# KiCad board karabas-pro-revER.kicad_pcb
title: Karabas Pro; date: 2021-07-06; rev: E
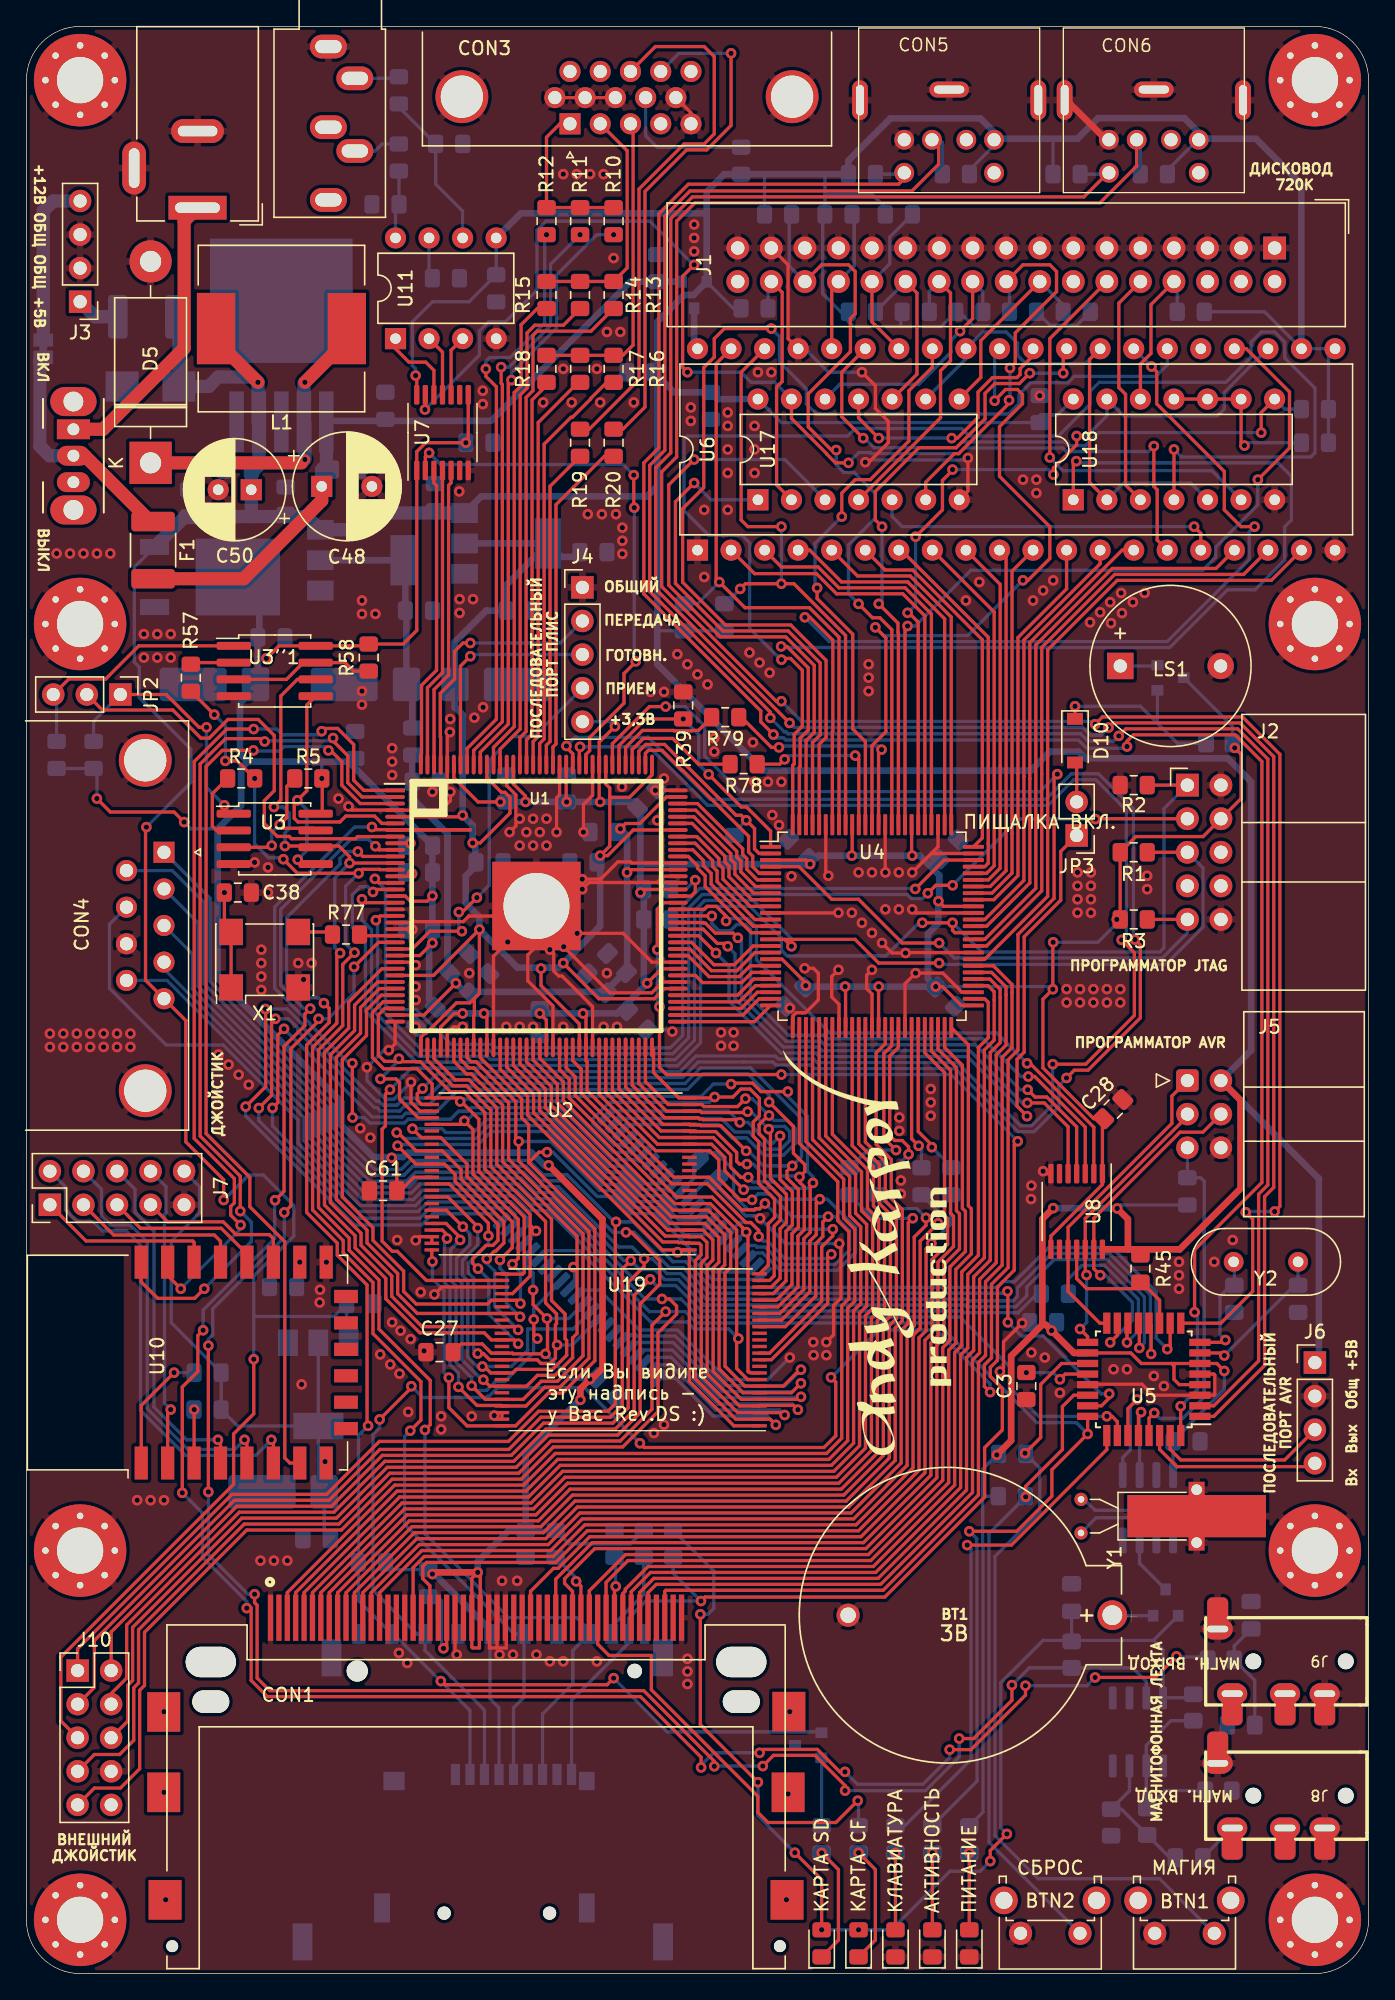
[diagram p0: board, top side]
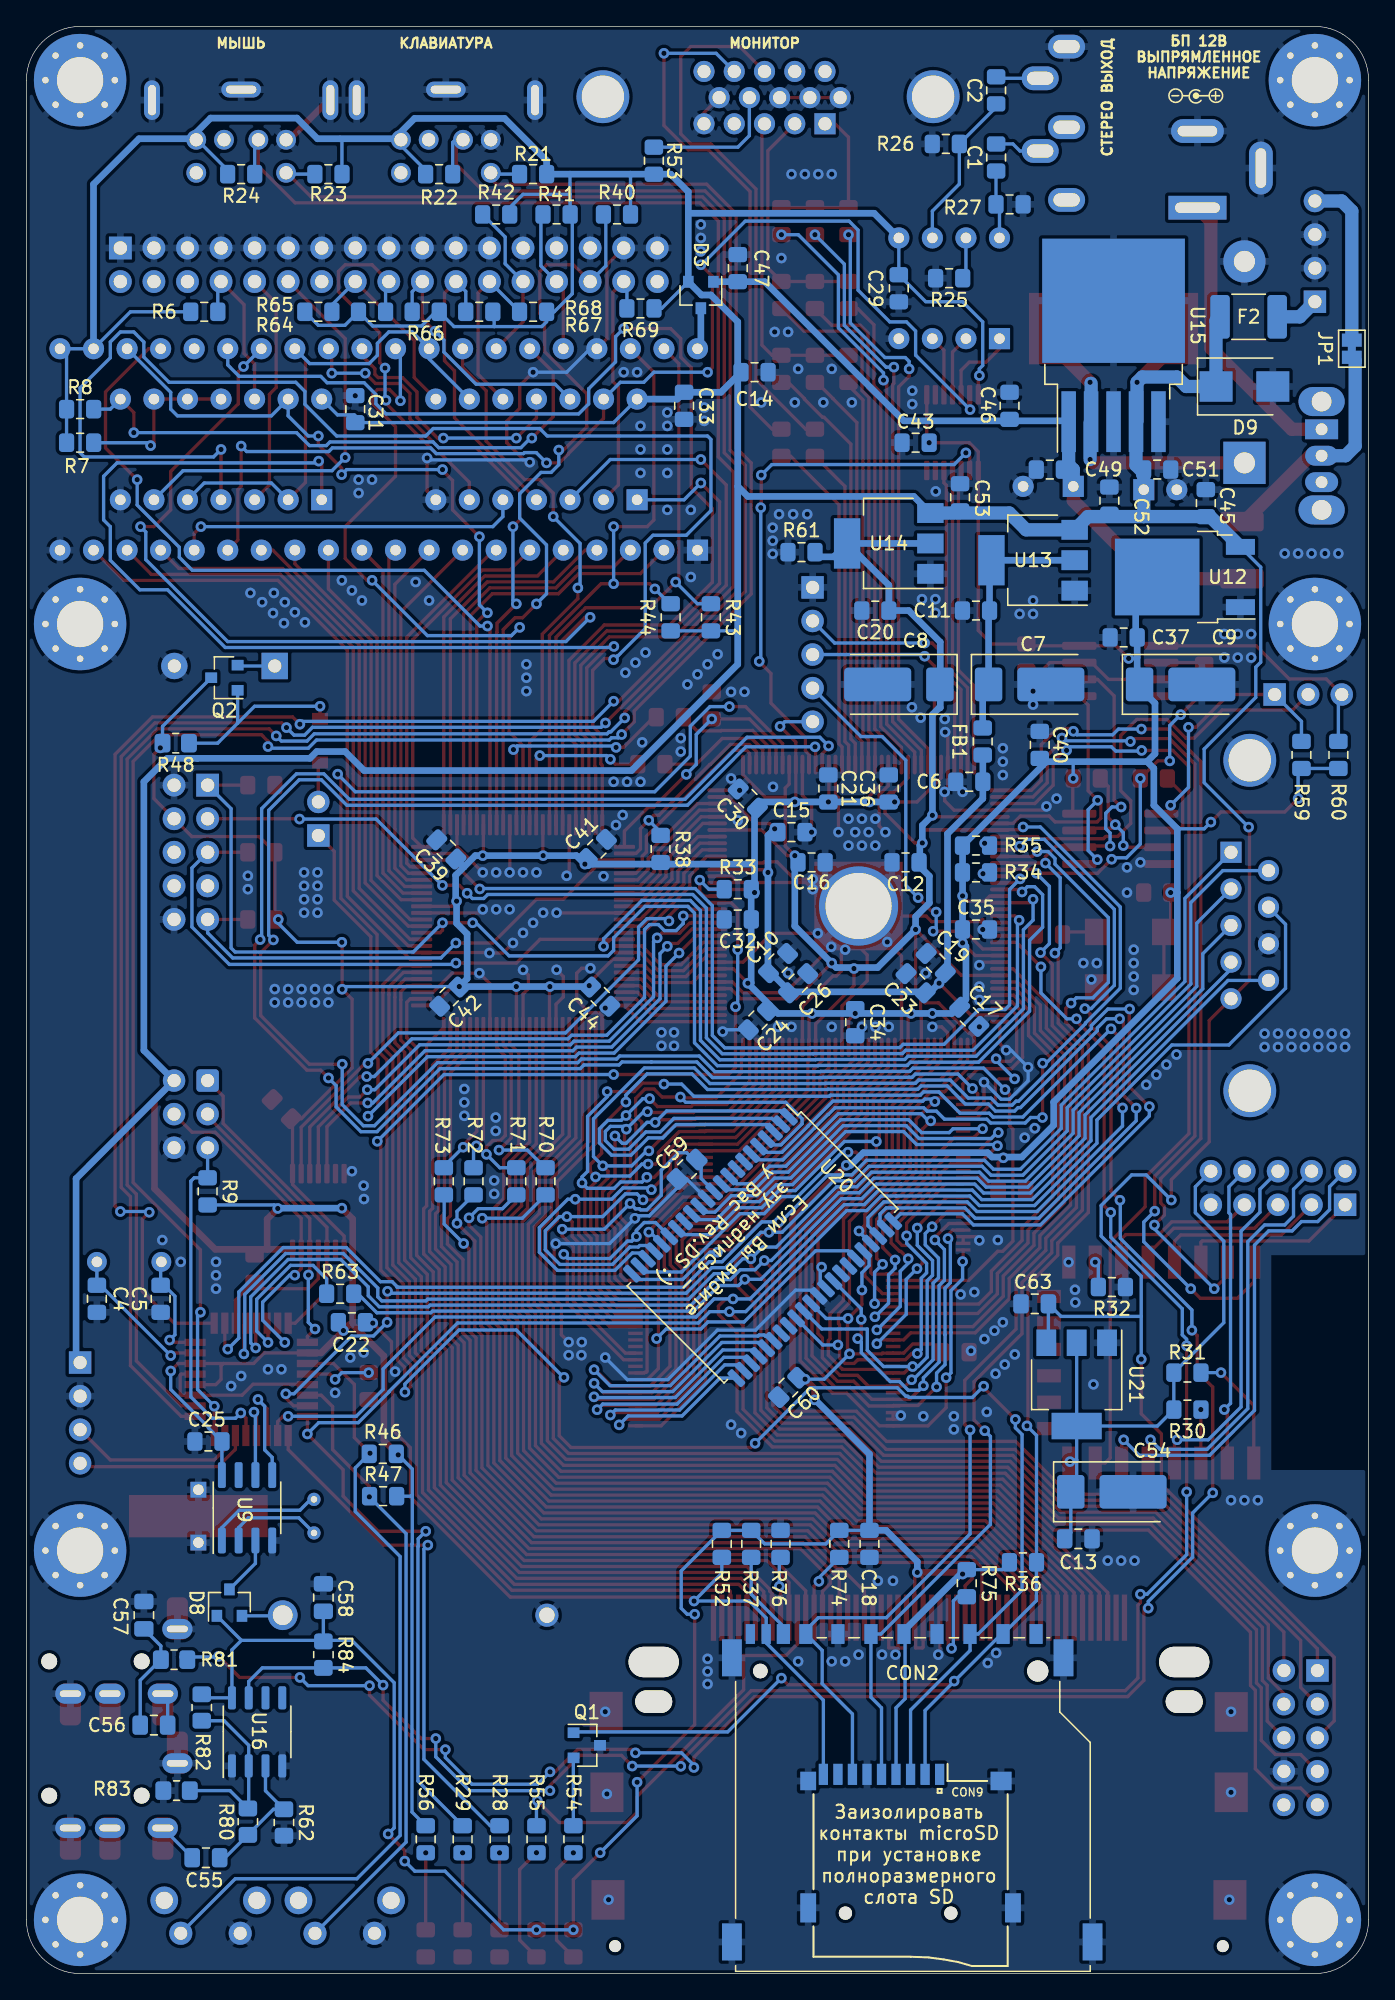
[diagram p1: board, bottom side, seen from below]

Outline 101.6 x 147.32 mm; copper layers: Top, Bottom. Coordinates in mm from the lower left corner of the outline.
Outline path: 0,143.26 arc(1.19,146.13) 4.06,147.32 97.54,147.32 arc(100.41,146.13) 101.6,143.26 101.6,4.06 arc(100.41,1.19) 97.54,0 4.06,0 arc(1.19,1.19) 0,4.06 0,143.26
Stack: Top 0.035mm / dielectric 1.51mm FR4 er 4.5 / Bottom 0.035mm

## Placement (name value [footprint] x y rotation side)
BT1  3В  [BAT_BS-7-BLUE]  72.2 27.11 0 top
BTN1  МАГИЯ  [SW_Tactile_SPST_Angled_PTS645Vx58-2LFS]  89.92 3.05 180 top
BTN2  СБРОС  [SW_Tactile_SPST_Angled_PTS645Vx58-2LFS]  79.76 3.05 180 top
C1  10uF  [C_0805_2012Metric_Pad1.15x1.40mm_HandSolder]  28.19 137.41 90 bottom
C2  10uF  [C_0805_2012Metric_Pad1.15x1.40mm_HandSolder]  28.19 142.49 90 bottom
C3  1uF  [C_0805_2012Metric_Pad1.15x1.40mm_HandSolder]  75.69 44.45 90 top
C4  22p  [C_0805_2012Metric_Pad1.15x1.40mm_HandSolder]  96.27 51.05 90 bottom
C5  22p  [C_0805_2012Metric_Pad1.15x1.40mm_HandSolder]  91.44 51.05 90 bottom
C6  1n  [C_0805_2012Metric_Pad1.15x1.40mm_HandSolder]  30.23 90.17 0 bottom
C7  10uF  [CP_EIA-7343-31_Kemet-D-uni]  25.65 97.54 180 bottom
C8  10uF  [CP_EIA-7343-31_Kemet-D-uni]  35.56 97.54 0 bottom
C9  10uF  [CP_EIA-7343-31_Kemet-D-uni]  14.22 97.54 180 bottom
C10  1uF  [C_0805_2012Metric_Pad1.15x1.40mm_HandSolder]  44.7 76.45 135 bottom
C11  100n  [C_0805_2012Metric_Pad1.15x1.40mm_HandSolder]  29.72 103.12 0 bottom
C12  100n  [C_0805_2012Metric_Pad1.15x1.40mm_HandSolder]  35.05 84.07 0 bottom
C13  100n  [C_0805_2012Metric_Pad1.18x1.45mm_HandSolder]  21.97 32.89 180 bottom
C14  100n  [C_0805_2012Metric_Pad1.15x1.40mm_HandSolder]  46.48 121.16 180 bottom
C15  100n  [C_0805_2012Metric_Pad1.15x1.40mm_HandSolder]  43.69 86.36 180 bottom
C16  100n  [C_0805_2012Metric_Pad1.15x1.40mm_HandSolder]  42.16 84.07 180 bottom
C17  100n  [C_0805_2012Metric_Pad1.15x1.40mm_HandSolder]  30.23 72.39 225 bottom
C18  100n  [C_0805_2012Metric_Pad1.15x1.40mm_HandSolder]  37.78 32.51 270 bottom
C19  100n  [C_0805_2012Metric_Pad1.15x1.40mm_HandSolder]  32.77 76.45 45 bottom
C20  100n  [C_0805_2012Metric_Pad1.15x1.40mm_HandSolder]  37.34 103.12 0 bottom
C21  100n  [C_0805_2012Metric_Pad1.15x1.40mm_HandSolder]  40.89 89.66 90 bottom
C22  100n  [C_0805_2012Metric_Pad1.15x1.40mm_HandSolder]  76.96 49.28 180 bottom
C23  100n  [C_0805_2012Metric_Pad1.15x1.40mm_HandSolder]  34.29 74.93 45 bottom
C24  100n  [C_0805_2012Metric_Pad1.15x1.40mm_HandSolder]  46.23 72.14 315 bottom
C25  100n  [C_0805_2012Metric_Pad1.15x1.40mm_HandSolder]  87.82 40.26 0 bottom
C26  100n  [C_0805_2012Metric_Pad1.15x1.40mm_HandSolder]  43.18 74.93 135 bottom
C27  100n  [C_0805_2012Metric_Pad1.15x1.40mm_HandSolder]  31.27 47.02 180 top
C28  100n  [C_0805_2012Metric_Pad1.15x1.40mm_HandSolder]  82.27 65.41 45 top
C29  100n  [C_0805_2012Metric_Pad1.15x1.40mm_HandSolder]  35.56 127.51 270 bottom
C30  100n  [C_0805_2012Metric_Pad1.15x1.40mm_HandSolder]  46.99 88.9 45 bottom
C31  100n  [C_0805_2012Metric_Pad1.15x1.40mm_HandSolder]  76.71 118.36 90 bottom
C32  100n  [C_0805_2012Metric_Pad1.15x1.40mm_HandSolder]  47.75 79.76 0 bottom
C33  100n  [C_0805_2012Metric_Pad1.15x1.40mm_HandSolder]  51.82 118.62 270 bottom
C34  100n  [C_0805_2012Metric_Pad1.15x1.40mm_HandSolder]  38.86 71.98 270 bottom
C35  100n  [C_0805_2012Metric_Pad1.15x1.40mm_HandSolder]  29.72 78.99 180 bottom
C36  100n  [C_0805_2012Metric_Pad1.15x1.40mm_HandSolder]  36.32 89.66 90 bottom
C37  100n  [C_0805_2012Metric_Pad1.15x1.40mm_HandSolder]  18.54 101.09 0 bottom
C38  100n  [C_0805_2012Metric_Pad1.15x1.40mm_HandSolder]  16 81.79 0 top
C39  100n  [C_0805_2012Metric_Pad1.15x1.40mm_HandSolder]  69.81 85.05 45 bottom
C40  100n  [C_0805_2012Metric_Pad1.15x1.40mm_HandSolder]  24.89 92.96 90 bottom
C41  100n  [C_0805_2012Metric_Pad1.15x1.40mm_HandSolder]  58.42 85.09 135 bottom
C42  100n  [C_0805_2012Metric_Pad1.15x1.40mm_HandSolder]  69.6 73.91 315 bottom
C43  100n  [C_0805_2012Metric_Pad1.15x1.40mm_HandSolder]  34.29 115.82 0 bottom
C44  100n  [C_0805_2012Metric_Pad1.15x1.40mm_HandSolder]  58.17 73.91 225 bottom
C45  100n  [C_0805_2012Metric_Pad1.15x1.40mm_HandSolder]  12.32 111.25 90 bottom
C46  100n  [C_0805_2012Metric_Pad1.15x1.40mm_HandSolder]  27.18 118.62 90 bottom
C47  100n  [C_0805_2012Metric_Pad1.15x1.40mm_HandSolder]  47.75 129.03 90 bottom
C48  470uF  [CP_Radial_D8.0mm_P3.80mm]  22.35 112.52 0 top
C49  100n  [C_0805_2012Metric_Pad1.15x1.40mm_HandSolder]  24.13 113.79 0 bottom
C50  220uF  [CP_Radial_D7.5mm_P2.50mm]  17.02 112.27 180 top
C51  100n  [C_0805_2012Metric_Pad1.15x1.40mm_HandSolder]  16 113.79 180 bottom
C52  100n  [C_0805_2012Metric_Pad1.15x1.40mm_HandSolder]  19.62 111.44 90 bottom
C53  100n  [C_0805_2012Metric_Pad1.15x1.40mm_HandSolder]  30.92 111.7 90 bottom
C54  100uF  [CP_EIA-7343-31_Kemet-D-uni]  19.43 36.45 180 bottom
C55  100n  [C_0805_2012Metric_Pad1.18x1.45mm_HandSolder]  88.01 8.76 180 bottom
C56  100n  [C_0805_2012Metric_Pad1.18x1.45mm_HandSolder]  91.95 18.8 0 bottom
C57  3n3  [C_0805_2012Metric_Pad1.18x1.45mm_HandSolder]  92.71 27.11 270 bottom
C58  100n  [C_0805_2012Metric_Pad1.18x1.45mm_HandSolder]  79.12 28.45 90 bottom
C59  100n  [C_0805_2012Metric_Pad1.18x1.45mm_HandSolder]  51.59 60.86 315 bottom
C60  100n  [C_0805_2012Metric_Pad1.18x1.45mm_HandSolder]  43.92 44.35 315 bottom
C61  100n  [C_0805_2012Metric_Pad1.18x1.45mm_HandSolder]  27 59.23 180 top
C63  100n  [C_0805_2012Metric_Pad1.18x1.45mm_HandSolder]  25.27 50.67 0 bottom
CON1  КАРТА CF  [TE_1734451-1-LONG]  34.04 26.92 0 top
CON2  КАРТА SD  [SD_TE_2041021-mod]  34.54 13.72 180 bottom
CON3  МОНИТОР VGA  [DSUB-15-HD_Female_Horizontal_P2.29x1.98mm_EdgePinOffset3.03mm_Housed_MountingHolesOffset4.94mm]  41.15 139.95 180 top
CON4  ДЖОЙСТИК  [DSUB-9_Male_Horizontal_P2.77x2.84mm_EdgePinOffset7.70mm_Housed_MountingHolesOffset9.12mm]  10.41 84.84 270 top
CON5  КЛАВИАТУРА  [MINI_DIN_6_33PRIMARY]  69.85 140.97 0 top
CON6  МЫШЬ  [MINI_DIN_6_33PRIMARY]  85.34 140.97 0 top
CON7  ЗВУК  [Jack_3.5mm_CUI_SJ1-3535NG_Horizontal]  22.86 145.8 0 top
CON8  12В  [BarrelJack_Wuerth_6941xx301002]  12.95 133.6 180 top
CON9  КАРТА микроSD  [Conn_uSDcard]  34.67 4.57 180 bottom
D1  КЛАВИАТУРА  [LED_0805_2012Metric_Pad1.15x1.40mm_HandSolder]  65.79 2.29 90 top
D2  АКТИВНОСТЬ  [LED_0805_2012Metric_Pad1.15x1.40mm_HandSolder]  68.58 2.29 90 top
D3  BAT54C  [SOT-23]  50.55 127 270 bottom
D4  КАРТА SD  [LED_0805_2012Metric_Pad1.15x1.40mm_HandSolder]  60.2 2.29 90 top
D5  1N5820  [D_DO-201AD_P15.24mm_Horizontal]  9.4 114.3 90 top
D6  КАРТА CF  [LED_0805_2012Metric_Pad1.15x1.40mm_HandSolder]  62.99 2.29 90 top
D7  ПИТАНИЕ  [LED_0805_2012Metric_Pad1.15x1.40mm_HandSolder]  71.37 2.29 90 top
D8  BAT54C  [SOT-23]  86.23 28.07 90 bottom
D9  SM6T6V8A  [D_SMB]  9.4 120.08 180 bottom
D10  1N4148W  [D_SOD-123]  79.38 93.28 270 top
F1  Polyfuse_Small  [Fuse_1812_4532Metric_Castellated]  9.59 107.7 270 top
F2  Polyfuse_Small  [Fuse_1812_4532Metric_Castellated]  9.08 125.35 0 bottom
FB1  Ferrite_Bead  [L_0805_2012Metric_Pad1.15x1.40mm_HandSolder]  29.21 93.22 270 bottom
G***  LOGO  [karabas_pro_logo_rus2_copper]  33.91 8.76 0 top
G***#2  LOGO  [andy_karpov_logo4_silk]  63.63 54.56 90 top
G***#3  LOGO  [karabas_pro_logo_rus2_copper]  66.6 32 270 bottom
H1  MountingHole  [MountingHole_3.5mm_Pad_Via]  4.06 102.11 0 top
H2  MountingHole  [MountingHole_3.5mm_Pad_Via]  97.54 102.11 0 top
H3  MountingHole  [MountingHole_3.5mm_Pad_Via]  4.06 32 0 top
H4  MountingHole  [MountingHole_3.5mm_Pad_Via]  97.54 32 0 top
H5  MountingHole  [MountingHole_3.5mm_Pad_Via]  4.06 143.26 0 top
H6  MountingHole  [MountingHole_3.5mm_Pad_Via]  4.06 4.06 0 top
H7  MountingHole  [MountingHole_3.5mm_Pad_Via]  97.54 143.26 0 top
H8  MountingHole  [MountingHole_3.5mm_Pad_Via]  97.54 4.06 0 top
J1  ДИСКОВОД  [IDC-Header_2x17_P2.54mm_Vertical]  94.49 130.56 270 top
J2  FPGA JTAG  [IDC-Header_2x05_P2.54mm_Horizontal]  87.88 89.92 0 top
J3  ПИТАНИЕ ДИСКОВОДА  [PinHeader_1x04_P2.54mm_Vertical]  4.06 126.49 180 top
J4  UART2  [PinHeader_1x05_P2.54mm_Vertical]  42.09 104.88 0 top
J5  AVR JTAG  [IDC-Header_2x03_P2.54mm_Horizontal]  87.88 67.56 0 top
J6  AVR UART  [PinHeader_1x04_P2.54mm_Vertical]  97.54 46.23 0 top
J7  ESP-BUS  [PinHeader_2x05_P2.54mm_Vertical]  1.78 58.17 90 top
J8  МАГН. ВХОД  [AUDIO_JACK_3.5MM_SMD_TRRS_rounded_mixed]  101.47 13.46 180 top
J9  МАГН. ВЫХОД  [AUDIO_JACK_3.5MM_SMD_TRRS_rounded_mixed]  101.47 23.62 180 top
J10  ВНЕШН. ДЖОЙСТИК  [PinHeader_2x05_P2.54mm_Vertical]  3.87 22.92 0 top
JP1  12В ВКЛ  [SolderJumper-2_P1.3mm_Bridged_Pad1.0x1.5mm]  1.27 122.94 270 bottom
JP2  ФЛЕШ 1/2  [PinHeader_1x03_P2.54mm_Vertical]  7.11 96.77 270 top
JP3  ПИЩАЛКА ВКЛ.  [PinHeader_1x02_P2.54mm_Vertical]  79.5 86.11 180 top
L1  68uH  [L_12x12mm_H6mm]  19.3 124.46 180 top
LS1  ПИЩАЛКА  [Buzzer_12x9.5RM7.6]  82.8 98.93 0 top
Q1  BC856  [SOT-23]  59.18 17.27 180 bottom
Q2  BC847  [SOT-23]  86.61 98.04 0 bottom
R1  2k4  [R_0805_2012Metric_Pad1.15x1.40mm_HandSolder]  83.82 84.84 180 top
R2  2k4  [R_0805_2012Metric_Pad1.15x1.40mm_HandSolder]  83.82 89.92 0 top
R3  2k4  [R_0805_2012Metric_Pad1.15x1.40mm_HandSolder]  83.82 79.76 180 top
R4  27  [R_0805_2012Metric_Pad1.15x1.40mm_HandSolder]  16.26 90.42 0 top
R5  10k  [R_0805_2012Metric_Pad1.15x1.40mm_HandSolder]  21.34 90.42 0 top
R6  1k  [R_0805_2012Metric_Pad1.15x1.40mm_HandSolder]  88.14 125.73 180 bottom
R7  4k7  [R_0805_2012Metric_Pad1.15x1.40mm_HandSolder]  97.54 115.82 180 bottom
R8  4k7  [R_0805_2012Metric_Pad1.15x1.40mm_HandSolder]  97.54 118.36 180 bottom
R9  10k  [R_0805_2012Metric_Pad1.15x1.40mm_HandSolder]  87.88 59.18 270 bottom
R10  2k  [R_0805_2012Metric_Pad1.15x1.40mm_HandSolder]  44.45 132.59 90 top
R11  1k  [R_0805_2012Metric_Pad1.15x1.40mm_HandSolder]  41.91 132.59 90 top
R12  510  [R_0805_2012Metric_Pad1.15x1.40mm_HandSolder]  39.37 132.59 90 top
R13  2k  [R_0805_2012Metric_Pad1.15x1.40mm_HandSolder]  44.45 127 90 top
R14  1k  [R_0805_2012Metric_Pad1.15x1.40mm_HandSolder]  41.91 127 90 top
R15  510  [R_0805_2012Metric_Pad1.15x1.40mm_HandSolder]  39.37 127 90 top
R16  2k  [R_0805_2012Metric_Pad1.15x1.40mm_HandSolder]  44.45 121.41 90 top
R17  1k  [R_0805_2012Metric_Pad1.15x1.40mm_HandSolder]  41.91 121.41 90 top
R18  510  [R_0805_2012Metric_Pad1.15x1.40mm_HandSolder]  39.37 121.41 90 top
R19  75  [R_0805_2012Metric_Pad1.15x1.40mm_HandSolder]  41.91 115.82 270 top
R20  75  [R_0805_2012Metric_Pad1.15x1.40mm_HandSolder]  44.45 115.82 270 top
R21  4k7  [R_0805_2012Metric_Pad1.15x1.40mm_HandSolder]  63.25 136.14 180 bottom
R22  4k7  [R_0805_2012Metric_Pad1.15x1.40mm_HandSolder]  70.36 136.14 0 bottom
R23  4k7  [R_0805_2012Metric_Pad1.15x1.40mm_HandSolder]  78.74 136.14 180 bottom
R24  4k7  [R_0805_2012Metric_Pad1.15x1.40mm_HandSolder]  85.34 136.14 0 bottom
R25  820  [R_0805_2012Metric_Pad1.15x1.40mm_HandSolder]  31.75 128.27 0 bottom
R26  750  [R_0805_2012Metric_Pad1.15x1.40mm_HandSolder]  32 138.43 0 bottom
R27  750  [R_0805_2012Metric_Pad1.15x1.40mm_HandSolder]  27.18 133.86 180 bottom
R28  470  [R_0805_2012Metric_Pad1.15x1.40mm_HandSolder]  65.79 10.16 270 bottom
R29  470  [R_0805_2012Metric_Pad1.15x1.40mm_HandSolder]  68.58 10.16 270 bottom
R30  10k  [R_0805_2012Metric_Pad1.15x1.40mm_HandSolder]  13.72 42.67 0 bottom
R31  10k  [R_0805_2012Metric_Pad1.15x1.40mm_HandSolder]  13.72 45.47 0 bottom
R32  33  [R_0805_2012Metric_Pad1.15x1.40mm_HandSolder]  19.43 51.94 0 bottom
R33  10k  [R_0805_2012Metric_Pad1.15x1.40mm_HandSolder]  47.75 82.04 180 bottom
R34  10k  [R_0805_2012Metric_Pad1.15x1.40mm_HandSolder]  29.72 83.31 0 bottom
R35  10k  [R_0805_2012Metric_Pad1.15x1.40mm_HandSolder]  29.72 85.34 0 bottom
R36  10k  [R_0805_2012Metric_Pad1.15x1.40mm_HandSolder]  26.16 31.12 0 bottom
R37  10k  [R_0805_2012Metric_Pad1.15x1.40mm_HandSolder]  46.74 32.51 270 bottom
R38  10k  [R_0805_2012Metric_Pad1.15x1.40mm_HandSolder]  53.59 85.09 270 bottom
R39  10k  [R_0805_2012Metric_Pad1.15x1.40mm_HandSolder]  49.72 95.95 90 top
R40  10k  [R_0805_2012Metric_Pad1.15x1.40mm_HandSolder]  56.9 133.1 180 bottom
R41  10k  [R_0805_2012Metric_Pad1.15x1.40mm_HandSolder]  61.47 133.1 180 bottom
R42  10k  [R_0805_2012Metric_Pad1.15x1.40mm_HandSolder]  66.04 133.1 180 bottom
R43  10k  [R_0805_2012Metric_Pad1.15x1.40mm_HandSolder]  49.78 102.62 270 bottom
R44  10k  [R_0805_2012Metric_Pad1.15x1.40mm_HandSolder]  52.83 102.62 270 bottom
R45  10k  [R_0805_2012Metric_Pad1.15x1.40mm_HandSolder]  84.33 53.34 90 top
R46  10k  [R_0805_2012Metric_Pad1.15x1.40mm_HandSolder]  74.63 39.32 180 bottom
R47  10k  [R_0805_2012Metric_Pad1.15x1.40mm_HandSolder]  74.6 36.12 180 bottom
R48  15k*  [R_0805_2012Metric_Pad1.20x1.40mm_HandSolder]  90.3 93.09 0 bottom
R52  10k  [R_0805_2012Metric_Pad1.15x1.40mm_HandSolder]  48.96 32.51 90 bottom
R53  X*  [R_0805_2012Metric_Pad1.15x1.40mm_HandSolder]  54.1 137.16 90 bottom
R54  470  [R_0805_2012Metric_Pad1.15x1.40mm_HandSolder]  60.2 10.16 270 bottom
R55  470  [R_0805_2012Metric_Pad1.15x1.40mm_HandSolder]  62.99 10.16 270 bottom
R56  470  [R_0805_2012Metric_Pad1.15x1.40mm_HandSolder]  71.37 10.16 270 bottom
R57  27  [R_0805_2012Metric_Pad1.15x1.40mm_HandSolder]  12.45 98.04 270 top
R58  10k  [R_0805_2012Metric_Pad1.15x1.40mm_HandSolder]  25.91 99.57 90 top
R59  10k  [R_0805_2012Metric_Pad1.15x1.40mm_HandSolder]  5.08 92.2 270 bottom
R60  10k  [R_0805_2012Metric_Pad1.15x1.40mm_HandSolder]  2.29 92.2 270 bottom
R61  300  [R_0805_2012Metric_Pad1.15x1.40mm_HandSolder]  42.93 107.54 180 bottom
R62  1M  [R_0805_2012Metric_Pad1.20x1.40mm_HandSolder]  82.11 11.43 270 bottom
R63  100  [R_0805_2012Metric_Pad1.15x1.40mm_HandSolder]  77.85 51.44 180 bottom
R64  330  [R_0805_2012Metric_Pad1.15x1.40mm_HandSolder]  79.5 125.73 180 bottom
R65  330  [R_0805_2012Metric_Pad1.15x1.40mm_HandSolder]  75.44 125.73 180 bottom
R66  330  [R_0805_2012Metric_Pad1.15x1.40mm_HandSolder]  71.37 125.73 0 bottom
R67  330  [R_0805_2012Metric_Pad1.15x1.40mm_HandSolder]  67.32 125.73 0 bottom
R68  330  [R_0805_2012Metric_Pad1.15x1.40mm_HandSolder]  63.25 125.73 0 bottom
R69  330  [R_0805_2012Metric_Pad1.15x1.40mm_HandSolder]  55.12 125.98 0 bottom
R70  100  [R_0805_2012Metric_Pad1.15x1.40mm_HandSolder]  62.31 59.94 270 bottom
R71  100  [R_0805_2012Metric_Pad1.15x1.40mm_HandSolder]  64.52 59.94 270 bottom
R72  100  [R_0805_2012Metric_Pad1.15x1.40mm_HandSolder]  67.75 59.94 270 bottom
R73  100  [R_0805_2012Metric_Pad1.15x1.40mm_HandSolder]  70 59.94 270 bottom
R74  1k  [R_0805_2012Metric_Pad1.15x1.40mm_HandSolder]  40.07 32.51 270 bottom
R75  1k  [R_0805_2012Metric_Pad1.15x1.40mm_HandSolder]  30.42 29.54 270 bottom
R76  1k  [R_0805_2012Metric_Pad1.15x1.40mm_HandSolder]  44.51 32.51 90 bottom
R77  27  [R_0805_2012Metric_Pad1.15x1.40mm_HandSolder]  24.19 78.61 0 top
R78  27  [R_0805_2012Metric_Pad1.15x1.40mm_HandSolder]  54.29 91.5 180 top
R79  27  [R_0805_2012Metric_Pad1.15x1.40mm_HandSolder]  52.9 95.06 180 top
R80  5k1  [R_0805_2012Metric_Pad1.20x1.40mm_HandSolder]  84.84 11.49 90 bottom
R81  33k  [R_0805_2012Metric_Pad1.20x1.40mm_HandSolder]  90.42 23.75 180 bottom
R82  1k  [R_0805_2012Metric_Pad1.20x1.40mm_HandSolder]  88.33 20.13 270 bottom
R83  1k  [R_0805_2012Metric_Pad1.20x1.40mm_HandSolder]  90.23 13.84 0 bottom
R84  1k  [R_0805_2012Metric_Pad1.20x1.40mm_HandSolder]  79.12 24.13 270 bottom
REF**  -  [Polarity_Center_Positive_SMALL_SilkScreen]  13.08 135.48 180 bottom
SW4  SW_SPST  [SW_CuK_OS102011MA1QN1_SPDT_Angled]  3.56 116.84 270 top
U1  EP4CE10E22C8N  [ALTERA-QFP-145]  38.61 80.77 0 top
U2  CY62167EV30LL  [TSOP-I-48_18.4x12mm_P0.5mm]  40.44 60.5 180 top
U3  W25Q16  [SOIC-8_5.23x5.23mm_P1.27mm-LONG]  18.8 85.85 0 top
U3''1  W25Q16  [SOIC-8_5.23x5.23mm_P1.27mm-LONG]  18.8 98.55 0 top
U4  EPM3128ATC100-10N  [LQFP-100_14x14mm_P0.5mm]  64.01 79.25 0 top
U5  ATMEGA328-AU  [TQFP-32_7x7mm_P0.8mm]  84.58 44.96 180 top
U6  MB8877A  [DIP-40_W15.24mm]  50.8 107.7 90 top
U7  TXB0104PW  [TSSOP-14_4.4x5mm_P0.65mm]  31.5 116.59 90 top
U8  TXB0104PW  [TSSOP-14_4.4x5mm_P0.65mm]  79.5 57.66 270 top
U9  DS1307Z+  [SOIC-8_3.9x4.9mm_P1.27mm]  84.9 35.24 90 bottom
U10  -  [ESP-12E]  12.19 46.23 90 top
U11  TDA1543  [DIP-8_W7.62mm]  27.94 123.7 90 top
U12  AMS1117-3.3  [TO-252-2]  13.9 105.66 0 bottom
U13  AMS1117-2.5  [SOT-223-3_TabPin2]  25.4 106.93 0 bottom
U14  AMS1117-1.2  [SOT-223-3_TabPin2]  36.32 108.2 0 bottom
U15  LM2596S-5  [TO-263-5_TabPin3]  19.3 123.19 90 bottom
U16  LM311  [SO-8_3.9x4.9mm_P1.27mm]  84.14 18.29 90 bottom
U17  74LS06  [DIP-14_W7.62mm]  55.37 111.51 90 top
U18  74LS38  [DIP-14_W7.62mm]  79.25 111.51 90 top
U19  CY62167EV30LL  [TSOP-I-48_18.4x12mm_P0.5mm]  45.75 47.19 180 top
U20  BS62LV1600  [TSOP-II-44_10.16x18.41mm_P0.8mm]  45.87 54.94 225 bottom
U21  AMS1117-3.3  [SOT-223-3_TabPin2]  22.1 44.58 270 bottom
X1  SG-7050CAN  [Oscillator_SMD_SeikoEpson_SG8002CA-4Pin_7.0x5.0mm]  18.03 76.71 0 top
Y1  32768Hz  [Crystal_AT310_D3.0mm_L10.0mm_Horizontal_1EP_style2]  79.83 33.34 90 top
Y2  16MHz  [Crystal_HC49-U_Vertical]  96.27 53.85 180 top

## Library data of the parts
J3 = -: Field4: CONN-09696
LS1 = -: Field4: COMP-08253
U5 = -: Description: IC MCU 8BIT 32KB FLASH 32TQFP; Category: Integrated Circuits (ICs); DK_Datasheet_Link: http://www.microchip.com/mymicrochip/filehandler.aspx?ddocname=en608326; DK_Detail_Page: /product-detail/en/microchip-technology/ATMEGA328-AU/ATMEGA328-AU-ND/2271029; Digi-Key_PN: ATMEGA328-AU-ND; Family: Embedded - Microcontrollers; Manufacturer: Microchip Technology; Status: Active
